# Altium PCB Industrial-Controller.PcbDoc (part 1 of 2) (continued)
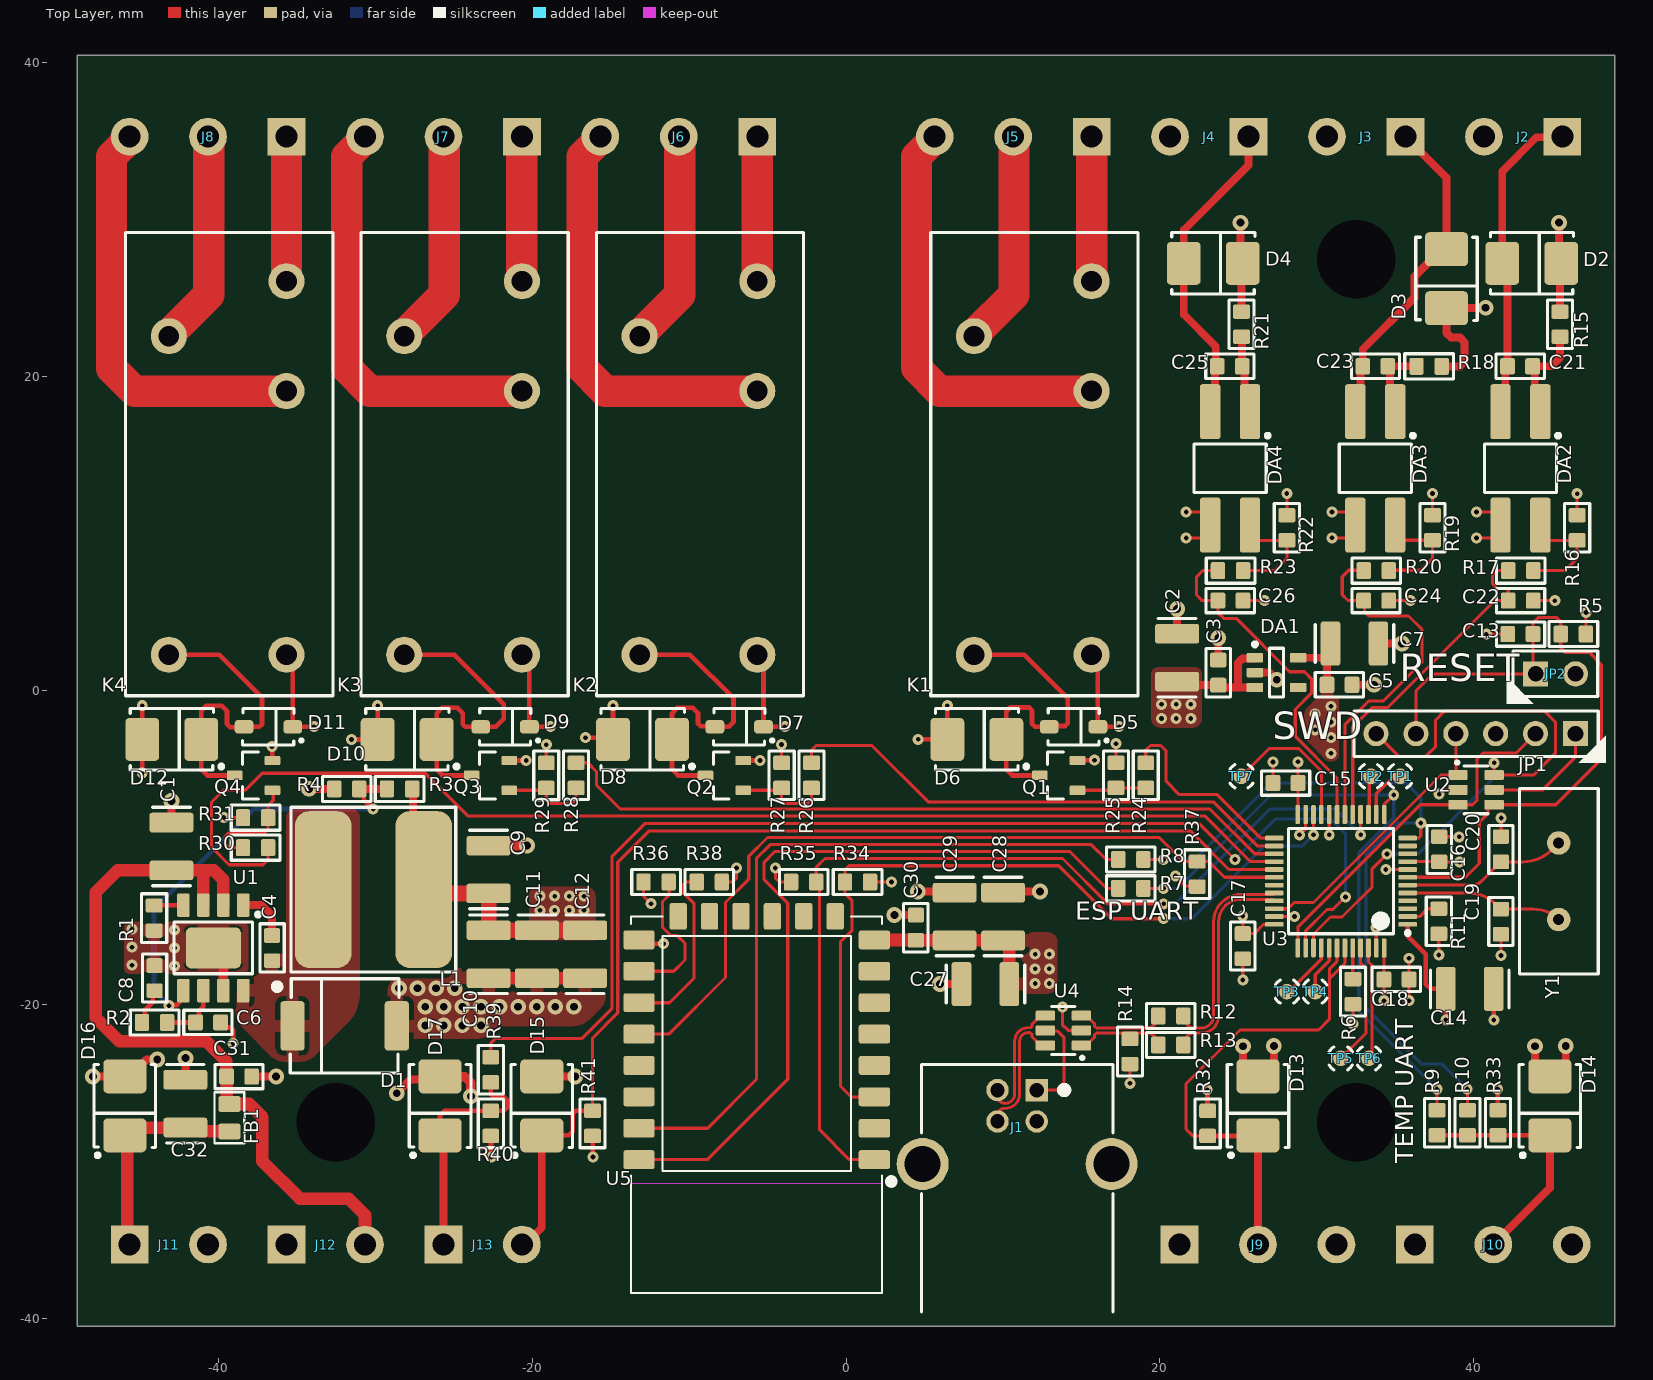
[diagram p0: Top Layer view]
## Part data (continued)
D1: "DIODE SCHOTTKY 60V 5A SMC", Average Rectified Current=5A, Capacitance=300pF, Case/Package=SMC, Forward Voltage=700mV, Manufacturer 1=Diodes, Max Forward Surge Current (Ifsm)=100A, Max Operating Temperature=125°C, Max Repetitive Reverse Voltage (Vrrm)=60V, Max Reverse Current=500uA, Min Operating Temperature=-55°C, Package Quantity=3000, Supplier Part Number 1=7513301P, Category="Rectifier Diodes", ComponentLink1Description=https://datasheet.ciiva.com/27052/1538961-27052355.pdf?src-supplier=Jameco, ComponentLink1URL=https://datasheet.ciiva.com/27052/1538961-27052355.pdf?src-supplier=Jameco, ComponentLink2Description=https://datasheet.ciiva.com/1177/ds13012-1177532.pdf?src-supplier=Element14, ComponentLink2URL=https://datasheet.ciiva.com/1177/ds13012-1177532.pdf?src-supplier=Element14, ComponentLink3Description=https://datasheet.ciiva.com/16389/ds13012-16389735.pdf?src-supplier=Future+Electronics, ComponentLink3URL=https://datasheet.ciiva.com/16389/ds13012-16389735.pdf?src-supplier=Future+Electronics, ComponentLink4Description=https://datasheet.ciiva.com/15144/getdatasheetpartid-89786-15144652.pdf?src-supplier=Verical, ComponentLink4URL=https://datasheet.ciiva.com/15144/getdatasheetpartid-89786-15144652.pdf?src-supplier=Verical, ComponentLink5Description=https://datasheet.ciiva.com/914/ds13012-914986.pdf?src-supplier=Digi-Key, ComponentLink5URL=https://datasheet.ciiva.com/914/ds13012-914986.pdf?src-supplier=Digi-Key, ComponentLink6Description=https://datasheet.ciiva.com/914/ds13012-914987.pdf?src-supplier=Digi-Key, ComponentLink6URL=https://datasheet.ciiva.com/914/ds13012-914987.pdf?src-supplier=Digi-Key, ComponentLink7Description=https://datasheet.ciiva.com/914/ds13012-914985.pdf?src-supplier=Digi-Key, ComponentLink7URL=https://datasheet.ciiva.com/914/ds13012-914985.pdf?src-supplier=Digi-Key, Contact Plating=Tin,Matte, Current Rating=5A, Element Configuration=Single, Forward Current=5A, Height=2.5mm, Lead Free="Lead Free", Length=7.11mm, Manufacturer Part Number 1=B560C-13-F, Max Reverse Voltage (DC)=60V, Mount="Surface Mount", Number of pins=2, Output Current=5A, Packaging="Tape and Reel", Peak Non-Repetitive Surge Current=100A, Polarity=Standard, Pricing 1="100=0,28800, 200=0,27300, 750=0,26000, 1500=0,22000 (GBP)", Radiation Hardening=No, REACH SVHC="No SVHC", RoHS=Yes, RoHS Compliant=Yes, Series=-, Stock 1=60660, Supplier 1=RSComponents, Termination=SMD/SMT, Voltage Rating (DC)=60V, Weight=0.007408oz, Width=6.22mm
D2 D3 D4: "TVS DIODE 5VWM 9.2VC SMB", Breakdown Voltage=7.25V, Case/Package=DO-214AA, Clamping Voltage=9.2V, Leakage Current=1.6mA, Manufacturer 1=Bourns, Max Operating Temperature=150°C, Max Power Dissipation=600W, Max Surge Current=100A, Min Breakdown Voltage=6.4V, Min Operating Temperature=-55°C, Operating Supply Voltage=3.5V, Package Quantity=1, Peak Pulse Current=65.2A, Power Line Protection=No, Resistor Type=Zener, Reverse Standoff Voltage=5V, Test Current=10mA, Category="TVS Diodes", ComponentLink1Description=https://datasheet.ciiva.com/334/smbj-334706.pdf?src-supplier=Digi-Key, ComponentLink1URL=https://datasheet.ciiva.com/334/smbj-334706.pdf?src-supplier=Digi-Key, ComponentLink2Description=https://datasheet.ciiva.com/3022/smbj-3022578.pdf?src-supplier=Avnet, ComponentLink2URL=https://datasheet.ciiva.com/3022/smbj-3022578.pdf?src-supplier=Avnet, ComponentLink3Description=https://datasheet.ciiva.com/334/smbj-334707.pdf?src-supplier=Digi-Key, ComponentLink3URL=https://datasheet.ciiva.com/334/smbj-334707.pdf?src-supplier=Digi-Key, ComponentLink4Description=https://datasheet.ciiva.com/334/smbj-334708.pdf?src-supplier=Digi-Key, ComponentLink4URL=https://datasheet.ciiva.com/334/smbj-334708.pdf?src-supplier=Digi-Key, ComponentLink5Description=https://datasheet.ciiva.com/28410/1677318-28410120.pdf?src-supplier=Element14, ComponentLink5URL=https://datasheet.ciiva.com/28410/1677318-28410120.pdf?src-supplier=Element14, ComponentLink6Description=https://datasheet.ciiva.com/8031/1677318-8031161.pdf?src-supplier=Element14, ComponentLink6URL=https://datasheet.ciiva.com/8031/1677318-8031161.pdf?src-supplier=Element14, ComponentLink7Description=https://datasheet.ciiva.com/30104/smbj-30104446.pdf?src-supplier=Onlinecomponents.com, ComponentLink7URL=https://datasheet.ciiva.com/30104/smbj-30104446.pdf?src-supplier=Onlinecomponents.com, Diode Type=ZENER, Direction=Bidirectional, Element Configuration=Single, Manufacturer Part Number 1=SMBJ5.0CA, Max Breakdown Voltage=7.25V, Max Reverse Leakage Current=1.6mA, Mount="Surface Mount", Number of Bidirectional Channels=1, Number of Channels=1, Number of Elements=1, Number of pins=2, Packaging="Tape and Reel", Peak Pulse Power=600W, Polarity=Bidirectional, Pricing 1="3000=0,10850, 6000=0,10460, 15000=0,10360, 30000=0,10260 (USD)", Radiation Hardening=No, REACH SVHC="No SVHC", Reverse Breakdown Voltage=6.4V, RoHS=Yes, RoHS Compliant=Yes, Series=SMBJ, Stock 1=3000, Supplier 1="Arrow Electronics", Supplier Part Number 1=SMBJ5.0CA, Termination=SMD/SMT
D5 D7 D9 D11: "DIODE SCHOTTKY 40V 500MA SOD123", Average Rectified Current=500mA, Current Rating=500A, Forward Voltage=620mV, Manufacturer="ON Semiconductor / Fairchild", Max Forward Surge Current (Ifsm)=5.5A, Max Operating Temperature=125°C, Max Repetitive Reverse Voltage (Vrrm)=40V, Max Reverse Current=20uA, Min Operating Temperature=-65°C, Package Quantity=3000, Power Dissipation=400mW, Category="Schottky Diodes", ComponentLink1Description=https://datasheet.ciiva.com/4713/mbr0540-90522-4713942.pdf?src-supplier=Mouser, ComponentLink1URL=https://datasheet.ciiva.com/4713/mbr0540-90522-4713942.pdf?src-supplier=Mouser, ComponentLink2Description=https://datasheet.ciiva.com/34301/975060-34301827.pdf?src-supplier=Jameco, ComponentLink2URL=https://datasheet.ciiva.com/34301/975060-34301827.pdf?src-supplier=Jameco, ComponentLink3Description=https://datasheet.ciiva.com/26943/getdatasheetpartid-110131-26943450.pdf?src-supplier=Verical, ComponentLink3URL=https://datasheet.ciiva.com/26943/getdatasheetpartid-110131-26943450.pdf?src-supplier=Verical, ComponentLink4Description=https://datasheet.ciiva.com/46428/1868854-46428603.pdf?src-supplier=Element14, ComponentLink4URL=https://datasheet.ciiva.com/46428/1868854-46428603.pdf?src-supplier=Element14, ComponentLink5Description=https://datasheet.ciiva.com/8303/mbr0540-8303805.pdf?src-supplier=Avnet, ComponentLink5URL=https://datasheet.ciiva.com/8303/mbr0540-8303805.pdf?src-supplier=Avnet, ComponentLink6Description=https://datasheet.ciiva.com/918/mbr0540-918355.pdf?src-supplier=Digi-Key, ComponentLink6URL=https://datasheet.ciiva.com/918/mbr0540-918355.pdf?src-supplier=Digi-Key, ComponentLink7Description=https://datasheet.ciiva.com/918/mbr0540-918356.pdf?src-supplier=Digi-Key, ComponentLink7URL=https://datasheet.ciiva.com/918/mbr0540-918356.pdf?src-supplier=Digi-Key, ComponentLink8Description=https://datasheet.ciiva.com/918/mbr0540-918354.pdf?src-supplier=Digi-Key, ComponentLink8URL=https://datasheet.ciiva.com/918/mbr0540-918354.pdf?src-supplier=Digi-Key, Contact Plating=Tin,Matte, Element Configuration=Single, Forward Current=500mA, Height=1.03mm, Lead Free="Lead Free", Length=2.7mm, Manufacturer 1="ON Semiconductor / Fairchild", Manufacturer Part Number=MBR0540, Manufacturer Part Number 1=MBR0540, Max Reverse Leakage Current=20uA, Max Reverse Voltage (DC)=40V, Max Surge Current=5.5A, Mount="Surface Mount", Number of pins=2, Output Current=500mA, Packaging="Tape and Reel", Peak Non-Repetitive Surge Current=5.5A, Polarity=Standard, Pricing 1="1=0,10130, 10=0,09370, 25=0,08240, 50=0,07560, 100=0,06800, 500=0,06720 (USD)", Radiation Hardening=No, REACH SVHC="No SVHC", RoHS=Yes, RoHS Compliant=Yes, Stock 1=1, Supplier 1="Arrow Electronics", Supplier Part Number 1=MBR0540, Voltage Rating (DC)=40V, Weight=0.03g, Width=1.6mm
D6 D8 D10 D12 D16: "TVS DIODE 24VWM 38.9VC SMB", Breakdown Voltage=30.7V, Case/Package=SMB, Clamping Voltage=38.9V, Leakage Current=5uA, Manufacturer 1=Bourns, Max Operating Temperature=150°C, Max Power Dissipation=600W, Max Surge Current=100A, Min Breakdown Voltage=26.7V, Min Operating Temperature=-55°C, Operating Supply Voltage=3.5V, Package Quantity=1, Peak Pulse Current=15.4A, Power Line Protection=No, Resistor Type=Zener, Reverse Standoff Voltage=24V, Test Current=1mA, Category="TVS Diodes", ComponentLink1Description=https://datasheet.ciiva.com/30478/0900766b81189a19-30478832.pdf?src-supplier=RSComponents, ComponentLink1URL=https://datasheet.ciiva.com/30478/0900766b81189a19-30478832.pdf?src-supplier=RSComponents, ComponentLink2Description=https://datasheet.ciiva.com/3022/smbj-3022496.pdf?src-supplier=Avnet, ComponentLink2URL=https://datasheet.ciiva.com/3022/smbj-3022496.pdf?src-supplier=Avnet, ComponentLink3Description=https://datasheet.ciiva.com/3022/smbj-3022497.pdf?src-supplier=Avnet, ComponentLink3URL=https://datasheet.ciiva.com/3022/smbj-3022497.pdf?src-supplier=Avnet, ComponentLink4Description=https://datasheet.ciiva.com/342/smbj-342022.pdf?src-supplier=Digi-Key, ComponentLink4URL=https://datasheet.ciiva.com/342/smbj-342022.pdf?src-supplier=Digi-Key, ComponentLink5Description=https://datasheet.ciiva.com/8031/1677318-8031064.pdf?src-supplier=Element14, ComponentLink5URL=https://datasheet.ciiva.com/8031/1677318-8031064.pdf?src-supplier=Element14, ComponentLink6Description=https://datasheet.ciiva.com/330/littelfuse-tvs-diode-smaj-datasheet-pdf-330796.pdf?src-supplier=Digi-Key, ComponentLink6URL=https://datasheet.ciiva.com/330/littelfuse-tvs-diode-smaj-datasheet-pdf-330796.pdf?src-supplier=Digi-Key, ComponentLink7Description=https://datasheet.ciiva.com/28410/1677318-28410012.pdf?src-supplier=Element14, ComponentLink7URL=https://datasheet.ciiva.com/28410/1677318-28410012.pdf?src-supplier=Element14, ComponentLink8Description=https://datasheet.ciiva.com/342/smbj-342020.pdf?src-supplier=Digi-Key, ComponentLink8URL=https://datasheet.ciiva.com/342/smbj-342020.pdf?src-supplier=Digi-Key, ComponentLink9Description=https://datasheet.ciiva.com/342/smbj-342021.pdf?src-supplier=Digi-Key, ComponentLink9URL=https://datasheet.ciiva.com/342/smbj-342021.pdf?src-supplier=Digi-Key, ComponentLink10Description=https://datasheet.ciiva.com/16237/smbj-16237468.pdf?src-supplier=Onlinecomponents.com, ComponentLink10URL=https://datasheet.ciiva.com/16237/smbj-16237468.pdf?src-supplier=Onlinecomponents.com, ComponentLink11Description=https://datasheet.ciiva.com/48712/001056314-da-01-en-tvs-diode-smbj24a-do-214aa-bou-48712566.pdf?src-supplier=Conrad, ComponentLink11URL=https://datasheet.ciiva.com/48712/001056314-da-01-en-tvs-diode-smbj24a-do-214aa-bou-48712566.pdf?src-supplier=Conrad, Diode Type=ZENER, Direction=Unidirectional, Element Configuration=Single, ESD Protection=Yes, Height=2.42mm, Length=4.57mm, Manufacturer Part Number 1=SMBJ24A, Max Breakdown Voltage=30.7V, Max Reverse Leakage Current=5uA, Mount="Surface Mount", Number of Channels=1, Number of Elements=1, Number of pins=2, Number of Unidirectional Channels=1, Packaging="Tape and Reel", Peak Pulse Power=600W, Polarity=Unidirectional, Pricing 1="1=0,52680, 10=0,35320 (USD)", Radiation Hardening=No, REACH SVHC="No SVHC", Reverse Breakdown Voltage=26.7V, RoHS=Yes, RoHS Compliant=Yes, Series=SMBJ, Stock 1=14, Supplier 1="Arrow Electronics", Supplier Part Number 1=SMBJ24A, Termination=SMD/SMT, Width=3.94mm
D13 D14 D15 D17: "TVS DIODE 3.3VWM 4.1VC SMB", Manufacturer 1="JGD Semiconductors Co.,Ltd", Manufacturer Part Number 1=SMBJ3.3A
DA1: "IC REG LINEAR 3.3V 500MA SOT23-5", Case/Package=SOT-23-5, Dropout Voltage=238mV, Manufacturer 1="Texas Instruments", Max Input Voltage=5.5V, Max Operating Temperature=125°C, Max Output Voltage=3.3V, Min Operating Temperature=-40°C, Output Current=500mA, Power Supply Rejection Ratio (PSRR)=52dB, Quiescent Current=31uA, Supplier Part Number 1=595-TLV75533PDBVR, Category="Voltage Regulators - Linear", ComponentLink1Description=http://www.ti.com/lit/ds/symlink/tlv755p.pdf?src-supplier=Digi-Key, ComponentLink1URL=http://www.ti.com/lit/ds/symlink/tlv755p.pdf?src-supplier=Digi-Key, ComponentLink2Description=http://www.ti.com/general/docs/suppproductinfo.tsp?distId=10&amp;gotoUrl=http%3A%2F%2Fwww.ti.com%2Flit%2Fgpn%2Ftlv755p&src-supplier=Digi-Key, ComponentLink2URL=http://www.ti.com/general/docs/suppproductinfo.tsp?distId=10&amp;gotoUrl=http%3A%2F%2Fwww.ti.com%2Flit%2Fgpn%2Ftlv755p&src-supplier=Digi-Key, Manufacturer Part Number 1=TLV75533PDBVR, Min Output Voltage=3.3V, Mount="Surface Mount", Number of Regulators=1, Output Configuration=Positive, Output Type=Fixed, Packaging="Cut Tape", Pricing 1="1=0,46000, 10=0,39400, 50=0,39400, 100=0,27300, 1000=0,17900, 10000=0,16200 (USD)", RoHS=Yes, RoHS Compliant=Yes, Stock 1=90, Supplier 1=Mouser
DA2 DA3 DA4: "OPTOISOLATOR 5KV TRANSISTOR 4SMD", Case/Package=SMD/SMT, Collector Emitter Breakdown Voltage=70V, Collector Emitter Saturation Voltage=200mV, Collector Emitter Voltage (VCEO)=35V, Current Transfer Ratio=400%, Forward Current=50mA, Forward Voltage=1.2V, Input Current=20mA, Isolation Voltage=5kV, Manufacturer 1="Broadcom Avago", Max Operating Temperature=100°C, Max Power Dissipation=200mW, Min Operating Temperature=-30°C, Package Quantity=1000, Reverse Breakdown Voltage=6V, Supplier Part Number 1=630-HCPL-817-50CE, Approvals=UL, Category=Optocouplers, Collector-emitter Voltage-Max=200mV, ComponentLink1Description=https://datasheet.ciiva.com/32424/hcpl-817-00ae-eng-tds-32424469.pdf?src-supplier=Distrelec, ComponentLink1URL=https://datasheet.ciiva.com/32424/hcpl-817-00ae-eng-tds-32424469.pdf?src-supplier=Distrelec, ComponentLink2Description=https://datasheet.ciiva.com/4702/v02-0265en-106799-4702156.pdf?src-supplier=Mouser, ComponentLink2URL=https://datasheet.ciiva.com/4702/v02-0265en-106799-4702156.pdf?src-supplier=Mouser, Fall Time=18000ns, Input Type=DC, Lead Free="Lead Free", Manufacturer Part Number 1=HCPL-817-50CE, Max Collector Current=50mA, Max Input Current=50mA, Max Output Voltage=70V, Mount="Surface Mount", Number of Channels=1, Number of Circuits=1, Number of Elements=1, Number of pins=4, Output Current per Channel=50mA, Output Voltage=70V, Packaging="Tape and Reel", Power Dissipation=200mW, Pricing 1="1=0,55000, 10=0,35900, 50=0,35900, 100=0,23700, 1000=0,18200, 10000=0,15000 (USD)", Rise Time=18000ns, RoHS=Yes, RoHS Compliant=Yes, Series=-, Stock 1=53747, Supplier 1=Mouser
FB1: "FERRITE BEAD 220 OHM 0805 1LN", Case Code (Imperial)=0805, Case Code (Metric)=2012, Current=2A, DC Resistance (DCR)=45mR, Frequency=100MHz, Manufacturer 1=Murata, Max Operating Temperature=125°C, Min Operating Temperature=-55°C, Package Quantity=1, Tolerance=25%, Case/Package=0805, Category="Ferrite Beads and Chips", ComponentLink1Description=https://datasheet.ciiva.com/30514/1845321-30514028.pdf?src-supplier=Jameco, ComponentLink1URL=https://datasheet.ciiva.com/30514/1845321-30514028.pdf?src-supplier=Jameco, ComponentLink2Description=https://datasheet.ciiva.com/1012/l0110s0100blm21p-1012288.pdf?src-supplier=Digi-Key, ComponentLink2URL=https://datasheet.ciiva.com/1012/l0110s0100blm21p-1012288.pdf?src-supplier=Digi-Key, ComponentLink3Description=https://datasheet.ciiva.com/11799/0900766b81275e31-11799232.pdf?src-supplier=RSComponents, ComponentLink3URL=https://datasheet.ciiva.com/11799/0900766b81275e31-11799232.pdf?src-supplier=RSComponents, ComponentLink4Description=https://datasheet.ciiva.com/29348/442529-da-01-en-chip-drossel-0805-220r-2000ma-2-0x1-25mm-29348007.pdf?src-supplier=Conrad, ComponentLink4URL=https://datasheet.ciiva.com/29348/442529-da-01-en-chip-drossel-0805-220r-2000ma-2-0x1-25mm-29348007.pdf?src-supplier=Conrad, ComponentLink5Description=https://datasheet.ciiva.com/8021/1756152-8021596.pdf?src-supplier=Element14, ComponentLink5URL=https://datasheet.ciiva.com/8021/1756152-8021596.pdf?src-supplier=Element14, ComponentLink6Description=https://datasheet.ciiva.com/8021/1756152-8021598.pdf?src-supplier=Element14, ComponentLink6URL=https://datasheet.ciiva.com/8021/1756152-8021598.pdf?src-supplier=Element14, ComponentLink7Description=https://datasheet.ciiva.com/14122/anblm21p-data-e-14122214.pdf?src-supplier=Distrelec, ComponentLink7URL=https://datasheet.ciiva.com/14122/anblm21p-data-e-14122214.pdf?src-supplier=Distrelec, ComponentLink8Description=https://datasheet.ciiva.com/1012/l0110s0100blm21p-1012287.pdf?src-supplier=Digi-Key, ComponentLink8URL=https://datasheet.ciiva.com/1012/l0110s0100blm21p-1012287.pdf?src-supplier=Digi-Key, ComponentLink9Description=https://datasheet.ciiva.com/1012/l0110s0100blm21p-1012289.pdf?src-supplier=Digi-Key, ComponentLink9URL=https://datasheet.ciiva.com/1012/l0110s0100blm21p-1012289.pdf?src-supplier=Digi-Key, ComponentLink10Description=https://datasheet.ciiva.com/3081/l0110s0100blm21p-3081655.pdf?src-supplier=Avnet, ComponentLink10URL=https://datasheet.ciiva.com/3081/l0110s0100blm21p-3081655.pdf?src-supplier=Avnet, ComponentLink11Description=https://datasheet.ciiva.com/16215/l0110s0100blm21p-16215194.pdf?src-supplier=Future+Electronics, ComponentLink11URL=https://datasheet.ciiva.com/16215/l0110s0100blm21p-16215194.pdf?src-supplier=Future+Electronics, Contact Plating=Tin,Matte, Core Material=Ferrite, Current Rating=2A, DC Current=2A, DC Resistance-Max=45mR, Depth=1.25mm, Height=0.85mm, Impedance=220R, Lead Free="Lead Free", Length=2mm, Manufacturer Part Number 1=BLM21PG221SN1D, Material=Ferrite,Steel, Max Current Rating=2A, Max DC Current=2A, Military Standard=Not, Number of Circuits=1, Number of Lines=1, Number of pins=2, Packaging="Tape and Reel", Pricing 1="1=0,09630 (USD)", Radiation Hardening=No, REACH SVHC="No SVHC", RoHS=Yes, RoHS Compliant=Yes, Series=BLM21P, Shielding=Unshielded, Stock 1=7, Supplier 1="Arrow Electronics", Supplier Part Number 1=BLM21PG221SN1D, Termination=SMD/SMT, Test Frequency=100MHz, Width=1.25mm
J1: "CONN TYPE B SKT HORIZONTAL TH", Manufacturer 1="Ningbo Connfly Electric", Manufacturer Part Number 1=DS1099-WN0
J2 J3 J4 J11 J12 J13: library part DG128-5.0-02P-14, "TERM BLK 2P TOP ENTRY 5MM SMD", Color=Green, Manufacturer 1=Degson, Category=Uncategorized, Contact Material=Brass,Tin, Height=17.6mm, Length=10.2mm, Manufacturer Part Number 1=DG128-5.0-02P-14-00AH, Mount=Screw, Number of Contacts=2, Pitch=5mm, Stripping Length=7mm, Weight=2.4g, Width=10mm
  J2 J3 J4: Contact_1=INPUT, Contact_2=GND
  J11: Contact_1="12V-24V IN", Contact_2=GND
  J12: Contact_1=GND, Contact_2="FAN PWR"
  J13: Contact_1=RPM, Contact_2=CONTROL
J5 J6 J7 J8 J9 J10: library part DG128-5.0-03P-14, "TERM BLK 3P TOP ENTRY 5MM SMD", Color=Green, Manufacturer 1=Degson, Category=Uncategorized, Contact Material=Brass,Tin, Height=17.6mm, Length=10.2mm, Manufacturer Part Number 1=DG128-5.0-03P-14-00AH, Mount=Screw, Number of Contacts=3, Pitch=5mm, Stripping Length=7mm, Weight=4g, Width=15mm
  J5 J6 J7 J8: Contact_1=NO, Contact_2=COM, Contact_3=NC
  J9 J10: Contact_1=VDD, Contact_2=SIGNAL, Contact_3=GND
JP1: "CONN HEADER VERT 6POS 2.54MM", Color=Black, Current Rating=3A, Manufacturer 1="Wurth Electronics", Max Operating Temperature=125°C, Min Operating Temperature=-40°C, Supplier Part Number 1=732-5319-ND, Voltage Rating=250V, Category="Headers and Wire Housings", ComponentLink1Description=http://www.mouser.com/ds/2/445/6130xx11121-538006.pdf?src-supplier=Mouser, ComponentLink1URL=http://www.mouser.com/ds/2/445/6130xx11121-538006.pdf?src-supplier=Mouser, ComponentLink2Description=http://www.farnell.com/cad/1737268.pdf?src-supplier=Element14, ComponentLink2URL=http://www.farnell.com/cad/1737268.pdf?src-supplier=Element14, ComponentLink3Description=https://katalog.we-online.de/em/datasheet/6130xx11121.pdf?src-supplier=Digi-Key, ComponentLink3URL=https://katalog.we-online.de/em/datasheet/6130xx11121.pdf?src-supplier=Digi-Key, Connector Type="Male Pin", Contact Gender=Male, Contact Material="Copper Alloy,Copper", Contact Mating Length=0.236inch, Contact Plating=Gold, Contact Type="Male Pin", Contact_1=VDD, Contact_2=SWCLK, Contact_3=GND, Contact_4=SWDIO, Contact_5=NRST, Contact_6=SWO, Gender=Male, Housing Material=PBT, Lead Free="Lead Free", Manufacturer Part Number 1=61300611121, Mount="Through Hole", Number of Contacts=6, Number of Positions=6, Number of Rows=1, Packaging=Bulk, Pitch=0.1inch, Pricing 1="1=0.34000, 10=0.28900, 25=0.24000, 50=0.20100, 100=0.18200, 1000=0.16600 (USD)", REACH SVHC=Unknown, RoHS=Yes, RoHS Compliant=Yes, Series=WR-PHD, Stock 1=8041, Supplier 1=Digi-Key, Termination="Through Hole"
JP2: "CONN HEADER VERT 2POS 2.54MM", Color=Black, Current Rating=3A, Manufacturer 1="Wurth Electronics", Max Operating Temperature=125°C, Min Operating Temperature=-40°C, Supplier Part Number 1=732-5315-ND, Voltage Rating=250V, Category="Headers and Wire Housings", ComponentLink1Description=https://datasheet.ciiva.com/13619/6130xx11121-48870-13619345.pdf?src-supplier=Mouser, ComponentLink1URL=https://datasheet.ciiva.com/13619/6130xx11121-48870-13619345.pdf?src-supplier=Mouser, Connector Type="Male Pin", Contact Gender=Male, Contact Material="Copper Alloy,Copper", Contact Mating Length=0.236inch, Contact Plating=Gold, Contact Type="Male Pin", Contact_1=RESET, Contact_2=GND, Gender=Male, Housing Material=PBT, Lead Free="Lead Free", Manufacturer Part Number 1=61300211121, Mount="Through Hole", Number of Contacts=2, Number of Positions=2, Number of Rows=1, Packaging=Bulk, Pitch=0.1inch, Pricing 1="1=0.13000, 10=0.11000, 25=0.09120, 50=0.07700, 100=0.06900, 1000=0.06300 (USD)", REACH SVHC=Unknown, RoHS=Yes, RoHS Compliant=Yes, Series=WR-PHD, Supplier 1=Digi-Key, Termination="Through Hole"
K1 K2 K3 K4: "RELAY GEN PURPOSE SPDT 10A 5V", Manufacturer 1="TE Connectivity Schrack", Supplier Part Number 1=RT174005, Category="Signal Relays", ComponentLink1Description=https://datasheet.ciiva.com/2409/eng-ds-rt1-sensitive-0910-2409155.pdf?src-supplier=Avnet, ComponentLink1URL=https://datasheet.ciiva.com/2409/eng-ds-rt1-sensitive-0910-2409155.pdf?src-supplier=Avnet, ComponentLink2Description=https://datasheet.ciiva.com/14146/rt1sens-eng-datasheet-14146563.pdf?src-supplier=Distrelec, ComponentLink2URL=https://datasheet.ciiva.com/14146/rt1sens-eng-datasheet-14146563.pdf?src-supplier=Distrelec, ComponentLink3Description=https://datasheet.ciiva.com/16307/3-1393239-6-16307647.pdf?src-supplier=Future+Electronics, ComponentLink3URL=https://datasheet.ciiva.com/16307/3-1393239-6-16307647.pdf?src-supplier=Future+Electronics, ComponentLink4Description=https://datasheet.ciiva.com/14190/eng-ds-rt1-sensitive-0411-14190113.pdf?src-supplier=Avnet, ComponentLink4URL=https://datasheet.ciiva.com/14190/eng-ds-rt1-sensitive-0411-14190113.pdf?src-supplier=Avnet, ComponentLink5Description=https://datasheet.ciiva.com/30127/eng-ds-rt1-sensitive-0411-30127511.pdf?src-supplier=Onlinecomponents.com, ComponentLink5URL=https://datasheet.ciiva.com/30127/eng-ds-rt1-sensitive-0411-30127511.pdf?src-supplier=Onlinecomponents.com, Manufacturer Part Number 1=3-1393239-6, Pricing 1="1=1,30120 (USD)", RoHS=Yes, Stock 1=3333, Supplier 1="Arrow Electronics"
L1: library part SDR1006-270KL, "FIXED IND 27UH 1.75A 110MOHM SMD", Case/Package=Nonstandard, Current Rating=1.75A, DC Resistance (DCR)=110mR, Inductance Tolerance=10%, Manufacturer 1=Bourns, Max Operating Temperature=125°C, Min Operating Temperature=-40°C, Package Quantity=800, Resistance=110MR, Resistor Type=Wirewound, Saturation Current=3.4A, Self Resonant Frequency=11MHz, Supplier Part Number 1=7271707, Test Frequency=1kHz, Category="Fixed Inductors", ComponentLink1Description=https://datasheet.ciiva.com/11802/0900766b80f2b5eb-11802788.pdf?src-supplier=RSComponents, ComponentLink1URL=https://datasheet.ciiva.com/11802/0900766b80f2b5eb-11802788.pdf?src-supplier=RSComponents, ComponentLink2Description=https://datasheet.ciiva.com/1049/sdr1006-1049700.pdf?src-supplier=Digi-Key, ComponentLink2URL=https://datasheet.ciiva.com/1049/sdr1006-1049700.pdf?src-supplier=Digi-Key, ComponentLink3Description=https://datasheet.ciiva.com/1049/sdr1006-1049701.pdf?src-supplier=Digi-Key, ComponentLink3URL=https://datasheet.ciiva.com/1049/sdr1006-1049701.pdf?src-supplier=Digi-Key, ComponentLink4Description=https://datasheet.ciiva.com/1049/sdr1006-1049702.pdf?src-supplier=Digi-Key, ComponentLink4URL=https://datasheet.ciiva.com/1049/sdr1006-1049702.pdf?src-supplier=Digi-Key, ComponentLink5Description=https://datasheet.ciiva.com/8515/sdr1006-8515561.pdf?src-supplier=Avnet, ComponentLink5URL=https://datasheet.ciiva.com/8515/sdr1006-8515561.pdf?src-supplier=Avnet, ComponentLink6Description=https://datasheet.ciiva.com/46435/1695385-46435131.pdf?src-supplier=Element14, ComponentLink6URL=https://datasheet.ciiva.com/46435/1695385-46435131.pdf?src-supplier=Element14, ComponentLink7Description=https://datasheet.ciiva.com/31841/sdr1006-31841678.pdf?src-supplier=Onlinecomponents.com, ComponentLink7URL=https://datasheet.ciiva.com/31841/sdr1006-31841678.pdf?src-supplier=Onlinecomponents.com, ComponentLink8Description=https://datasheet.ciiva.com/16959/70153529-16959295.pdf?src-supplier=Allied+Electronics, ComponentLink8URL=https://datasheet.ciiva.com/16959/70153529-16959295.pdf?src-supplier=Allied+Electronics, ComponentLink9Description=https://datasheet.ciiva.com/41452/001056199-da-01-en-leis-indukt-sdr1006-270kl-27uh-1-75a-41452039.pdf?src-supplier=Conrad, ComponentLink9URL=https://datasheet.ciiva.com/41452/001056199-da-01-en-leis-indukt-sdr1006-270kl-27uh-1-75a-41452039.pdf?src-supplier=Conrad, Core Material=Ferrite, DC Current=1.75A, Diameter=9.8mm, Height=5.8mm, Height - Seated (Max)=0.228inch, Inductance=27uH, Length=0.386inch, Manufacturer Part Number 1=SDR1006-270KL, Max DC Current=1.75A, Military Standard=Not, Mount="Surface Mount", Packaging="Tape and Reel", Pricing 1="5=0,80000, 25=0,74400, 50=0,69600, 100=0,66400, 200=0,59200 (GBP)", Q Factor=25, Radiation Hardening=No, REACH SVHC="No SVHC", RMS Current (Irms)=1.75A, RoHS=Yes, RoHS Compliant=Yes, Sample Rate (Hz)=1kHz, Series=SDR1006, Shielding=Unshielded, Stock 1=650, Supplier 1=RSComponents, Termination=SMD/SMT, Tolerance=10%, Width=0.386inch
Q1 Q2 Q3 Q4: "MOSFET N-CH 30V 3.3A/3.6A SOT23", Case/Package=SOT-23-3, Continuous Drain Current (ID)=3.6A, Drain to Source Breakdown Voltage=30V, Drain to Source Resistance=49mR, Drain-source On Resistance-Max=60mR, Gate to Source Voltage (Vgs)=20V, Input Capacitance=35pF, Manufacturer 1="Vishay Siliconix", Max Operating Temperature=150°C, Max Power Dissipation=200mW, Min Operating Temperature=-55°C, Package Quantity=3000, Power Dissipation=1.1W, Supplier Part Number 1=SI2304DDS-T1-GE3CT-ND, Threshold Voltage=2.2V, Category=MOSFETs, ComponentLink1Description=https://datasheet.ciiva.com/5769/si2304dd-5769090.pdf?src-supplier=Farnell, ComponentLink1URL=https://datasheet.ciiva.com/5769/si2304dd-5769090.pdf?src-supplier=Farnell, ComponentLink2Description=https://datasheet.ciiva.com/7370/1750671-7370955.pdf?src-supplier=Newark, ComponentLink2URL=https://datasheet.ciiva.com/7370/1750671-7370955.pdf?src-supplier=Newark, ComponentLink3Description=https://datasheet.ciiva.com/4441/si2304dd-244438-4441695.pdf?src-supplier=Mouser, ComponentLink3URL=https://datasheet.ciiva.com/4441/si2304dd-244438-4441695.pdf?src-supplier=Mouser, ComponentLink4Description=https://datasheet.ciiva.com/2957/si2304dd-2957371.pdf?src-supplier=Digi-Key, ComponentLink4URL=https://datasheet.ciiva.com/2957/si2304dd-2957371.pdf?src-supplier=Digi-Key, ComponentLink5Description=https://datasheet.ciiva.com/7788/si2304dd-7788750.pdf?src-supplier=Element14, ComponentLink5URL=https://datasheet.ciiva.com/7788/si2304dd-7788750.pdf?src-supplier=Element14, ComponentLink6Description=https://datasheet.ciiva.com/8115/si2304dd-8115070.pdf?src-supplier=Avnet, ComponentLink6URL=https://datasheet.ciiva.com/8115/si2304dd-8115070.pdf?src-supplier=Avnet, ComponentLink7Description=https://datasheet.ciiva.com/2957/si2304dd-2957372.pdf?src-supplier=Digi-Key, ComponentLink7URL=https://datasheet.ciiva.com/2957/si2304dd-2957372.pdf?src-supplier=Digi-Key, ComponentLink8Description=https://datasheet.ciiva.com/26137/si2304dd-26137837.pdf?src-supplier=Avnet+Europe, ComponentLink8URL=https://datasheet.ciiva.com/26137/si2304dd-26137837.pdf?src-supplier=Avnet+Europe, Contact Plating=Tin,Matte, Drain to Source Voltage (Vdss)=30V, Element Configuration=Single, Fall Time=22ns, Lead Free="Lead Free", Manufacturer Part Number 1=SI2304DDS-T1-GE3, Mount="Surface Mount", Nominal Vgs=2.2V, Number of Channels=1, Number of Elements=1, Number of pins=3, On-State Resistance=60mR, Packaging="Tape and Reel", Polarity=N-CHANNEL, Pricing 1="1=0,45000, 10=0,36200, 100=0,24640, 500=0,18480, 1000=0,13860 (USD)", Radiation Hardening=No, Rds On Max=850mR, REACH SVHC="No SVHC", Rise Time=50ns, RoHS=Yes, RoHS Compliant=Yes, Series=TrenchFET®, Stock 1=5879, Supplier 1=Digi-Key, Turn-Off Delay Time=12ns, Turn-On Delay Time=12ns, Weight=0.050717oz
R1: library part RC0603FR-07243KL, "RES 243K OHM 1% 1/10W 0603", Case Code (Imperial)=0603, Case Code (Metric)=1608, Manufacturer 1=Yageo, Max Operating Temperature=155°C, Max Power Dissipation=100mW, Min Operating Temperature=-55°C, Package Quantity=1, Resistor Type="Thick Film", Temperature Coefficient=100ppm/°C, Tolerance=1%, Voltage Rating=50V, Working Voltage=75V, Case/Package=0603, Category="Chip SMD Resistors", ComponentLink1Description=https://datasheet.ciiva.com/2454/pyu-r-int-thick-7-2454154.pdf?src-supplier=Digi-Key, ComponentLink1URL=https://datasheet.ciiva.com/2454/pyu-r-int-thick-7-2454154.pdf?src-supplier=Digi-Key, ComponentLink2Description=https://datasheet.ciiva.com/2454/pyu-r-int-thick-7-2454155.pdf?src-supplier=Digi-Key, ComponentLink2URL=https://datasheet.ciiva.com/2454/pyu-r-int-thick-7-2454155.pdf?src-supplier=Digi-Key, ComponentLink3Description=https://datasheet.ciiva.com/2454/pyu-r-int-thick-7-2454153.pdf?src-supplier=Digi-Key, ComponentLink3URL=https://datasheet.ciiva.com/2454/pyu-r-int-thick-7-2454153.pdf?src-supplier=Digi-Key, ComponentLink4Description=https://datasheet.ciiva.com/12558/rc0603-272842-12558677.pdf?src-supplier=Mouser, ComponentLink4URL=https://datasheet.ciiva.com/12558/rc0603-272842-12558677.pdf?src-supplier=Mouser, Construction=Rectangular, Depth=0.8mm, Features="Moisture Resistant", Height=0.022inch, Lead Free="Lead Free", Length=1.6mm, Manufacturer Part Number 1=RC0603FR-07243KL, Military Standard=Not, Number of Terminations=2, Packaging="Tape and Reel", Power Rating=100mW, Pricing 1="5000=0,00270, 10000=0,00250, 25000=0,00220, 50000=0,00200, 125000=0,00190 (USD)", Resistance=243kR, RoHS=Yes, RoHS Compliant=Yes, Series=RC, Stock 1=5000, Supplier 1="Arrow Electronics", Supplier Part Number 1=RC0603FR-07243KL, Technology="THICK FILM", Termination=SMD/SMT, Voltage Rating (DC)=50V, Width=0.8mm
R2: library part RC0603FR-0712K1L, "RES 12.1K OHM 1% 1/10W 0603", Case Code (Imperial)=0603, Case Code (Metric)=1608, Manufacturer 1=Yageo, Max Operating Temperature=155°C, Max Power Dissipation=100mW, Min Operating Temperature=-55°C, Package Quantity=1, Resistance Tolerance=1%, Resistor Type="Thick Film", Supplier Part Number 1=311-12.1KHRCT-ND, Temperature Coefficient=100ppm/°C, Voltage Rating=50V, Case/Package=0603, Category="Chip SMD Resistors", ComponentLink1Description=https://datasheet.ciiva.com/2519/pyu-r-int-thick-7-2519217.pdf?src-supplier=Digi-Key, ComponentLink1URL=https://datasheet.ciiva.com/2519/pyu-r-int-thick-7-2519217.pdf?src-supplier=Digi-Key, ComponentLink2Description=https://datasheet.ciiva.com/2519/pyu-r-int-thick-7-2519218.pdf?src-supplier=Digi-Key, ComponentLink2URL=https://datasheet.ciiva.com/2519/pyu-r-int-thick-7-2519218.pdf?src-supplier=Digi-Key, ComponentLink3Description=https://datasheet.ciiva.com/15159/getdatasheetpartid-28802-15159207.pdf?src-supplier=Verical, ComponentLink3URL=https://datasheet.ciiva.com/15159/getdatasheetpartid-28802-15159207.pdf?src-supplier=Verical, ComponentLink4Description=https://datasheet.ciiva.com/12558/rc0603-272842-12558574.pdf?src-supplier=Mouser, ComponentLink4URL=https://datasheet.ciiva.com/12558/rc0603-272842-12558574.pdf?src-supplier=Mouser, ComponentLink5Description=https://datasheet.ciiva.com/2519/pyu-r-int-thick-7-2519216.pdf?src-supplier=Digi-Key, ComponentLink5URL=https://datasheet.ciiva.com/2519/pyu-r-int-thick-7-2519216.pdf?src-supplier=Digi-Key, ComponentLink6Description=https://datasheet.ciiva.com/46395/443971-46395022.pdf?src-supplier=Element14, ComponentLink6URL=https://datasheet.ciiva.com/46395/443971-46395022.pdf?src-supplier=Element14, Construction=Rectangular, Depth=0.8mm, Features="Moisture Resistant", Height=0.022inch, Lead Free="Lead Free", Length=1.6mm, Manufacturer Part Number 1=RC0603FR-0712K1L, Military Standard=Not, Number of pins=2, Number of Terminations=2, Packaging="Tape and Reel", Power Rating=100mW, Pricing 1="1=0,10000, 10=0,02400, 100=0,00970, 1000=0,00436, 2500=0,00378 (USD)", REACH SVHC="No SVHC", Resistance=12.1kR, RoHS=Yes, RoHS Compliant=Yes, Series=RC, Size Code=0603, Stock 1=225707, Supplier 1=Digi-Key, Termination=SMD/SMT, Tolerance=1%, Voltage Rating (DC)=50V, Width=0.031inch
R3: library part RC0603FR-0753K6L, "RES 53.6K OHM 1% 1/10W 0603", Case Code (Imperial)=0603, Case Code (Metric)=1608, Manufacturer 1=Yageo, Max Operating Temperature=155°C, Max Power Dissipation=100mW, Min Operating Temperature=-55°C, Resistor Type="Thick Film", Temperature Coefficient=100ppm/°C, Tolerance=1%, Voltage Rating=50V, Case/Package=0603, Category="Chip SMD Resistors", ComponentLink1Description=https://datasheet.ciiva.com/11819/0900766b80f96399-11819394.pdf?src-supplier=RSComponents, ComponentLink1URL=https://datasheet.ciiva.com/11819/0900766b80f96399-11819394.pdf?src-supplier=RSComponents, Construction=Rectangular, Depth=0.8mm, Features="Moisture Resistant", Height=0.45mm, Lead Free="Lead Free", Length=1.6mm, Manufacturer Part Number 1=RC0603FR-0753K6L, Military Standard=Not, Mount="Surface Mount", Number of Terminations=2, Packaging="Tape and Reel", Power Rating=100mW, Pricing 1="1=0,05320, 10=0,01340, 25=0,01240, 100=0,00690, 250=0,00650, 500=0,00530, 1000=0,00400, 3000=0,00300, 6000=0,00270 (USD)", Resistance=53.6kR, RoHS=Yes, RoHS Compliant=Yes, Series=RC, Size Code=0603, Stock 1=8950, Supplier 1="Arrow Electronics", Supplier Part Number 1=RC0603FR-0753K6L, Technology="THICK FILM", Termination=SMD/SMT, Voltage Rating (DC)=50V
R4: library part RC0603FR-0710K2L, "RES 10.2K OHM 1% 1/10W 0603", Case Code (Imperial)=0603, Case Code (Metric)=1608, Manufacturer 1=Yageo, Max Operating Temperature=155°C, Max Power Dissipation=100mW, Min Operating Temperature=-55°C, Package Quantity=1, Resistor Type="Thick Film", Temperature Coefficient=100ppm/°C, Tolerance=1%, Voltage Rating=75V, Voltage Rating (DC)=50V, Case/Package=0603, Category="Chip SMD Resistors", ComponentLink1Description=https://datasheet.ciiva.com/11819/0900766b80f96399-11819227.pdf?src-supplier=RSComponents, ComponentLink1URL=https://datasheet.ciiva.com/11819/0900766b80f96399-11819227.pdf?src-supplier=RSComponents, ComponentLink2Description=https://datasheet.ciiva.com/2455/pyu-r-int-thick-7-2455183.pdf?src-supplier=Digi-Key, ComponentLink2URL=https://datasheet.ciiva.com/2455/pyu-r-int-thick-7-2455183.pdf?src-supplier=Digi-Key, ComponentLink3Description=https://datasheet.ciiva.com/2455/pyu-r-int-thick-7-2455184.pdf?src-supplier=Digi-Key, ComponentLink3URL=https://datasheet.ciiva.com/2455/pyu-r-int-thick-7-2455184.pdf?src-supplier=Digi-Key, ComponentLink4Description=https://datasheet.ciiva.com/2455/pyu-r-int-thick-7-2455182.pdf?src-supplier=Digi-Key, ComponentLink4URL=https://datasheet.ciiva.com/2455/pyu-r-int-thick-7-2455182.pdf?src-supplier=Digi-Key, Construction=Rectangular, Depth=0.8mm, Features="Moisture Resistant", Height=0.45mm, Lead Free="Lead Free", Length=1.6mm, Manufacturer Part Number 1=RC0603FR-0710K2L, Military Standard=Not, Mount="Surface Mount", Number of Terminations=2, Packaging="Tape and Reel", Power Rating=100mW, Pricing 1="5000=0,00250, 10000=0,00220, 25000=0,00190, 50000=0,00170, 125000=0,00120 (USD)", Resistance=10.2kR, RoHS=Yes, RoHS Compliant=Yes, Series=RC, Size Code=0603, Stock 1=45000, Supplier 1="Arrow Electronics", Supplier Part Number 1=RC0603FR-0710K2L, Technology="THICK FILM", Termination=SMD/SMT, Weight=7.1E-05oz, Width=0.031inch